# KiCad board UA_RX.kicad_pcb
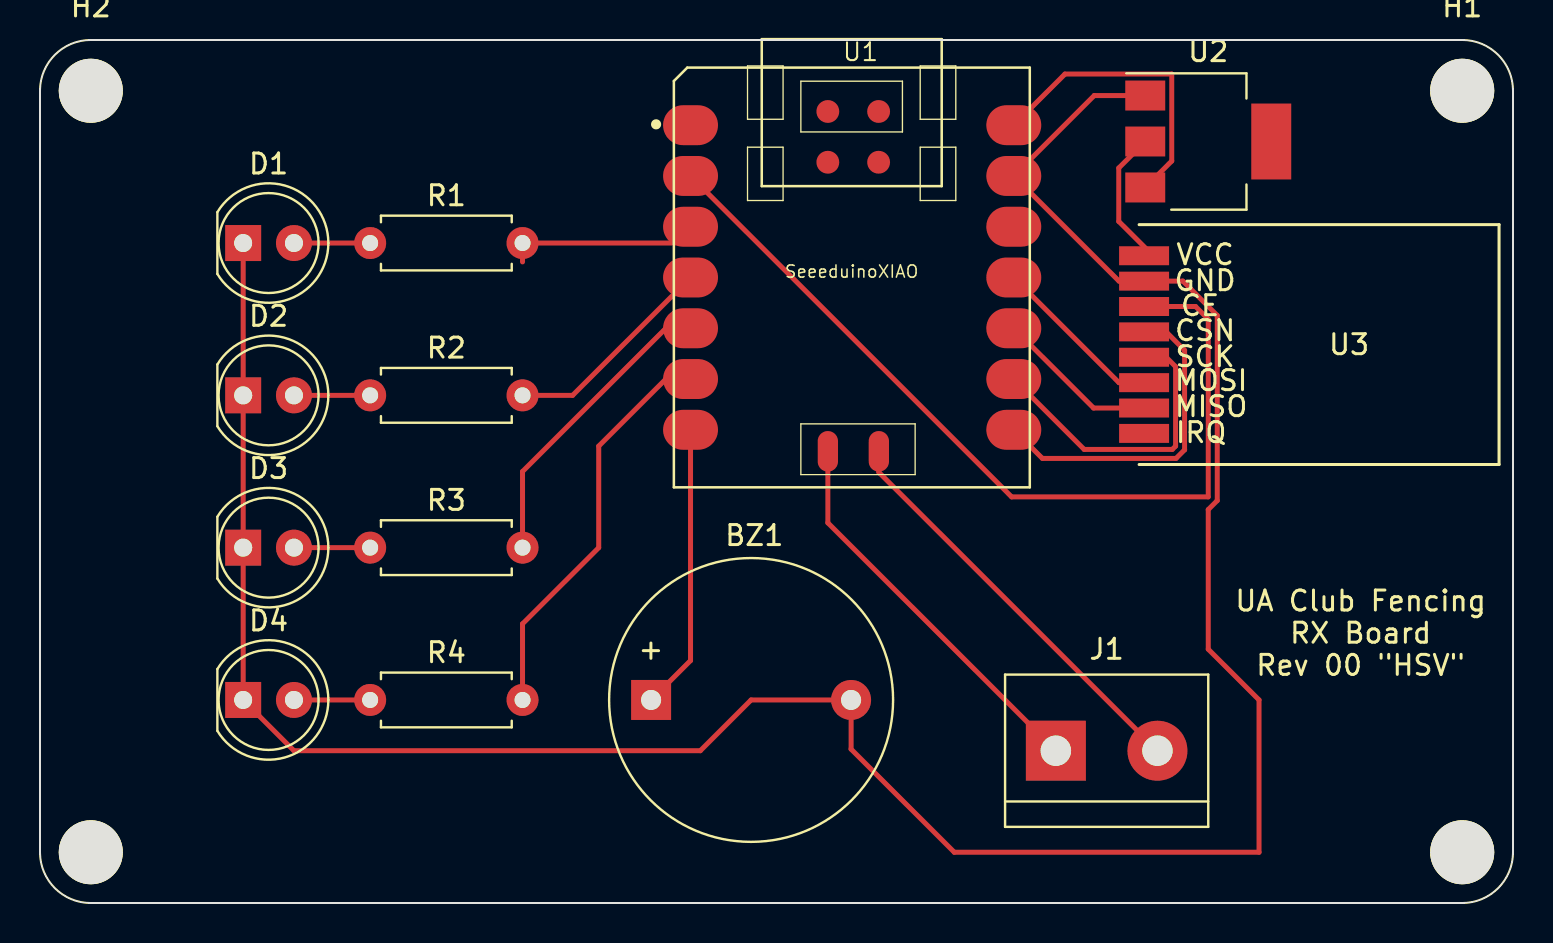
[diagram p0: board, top side]
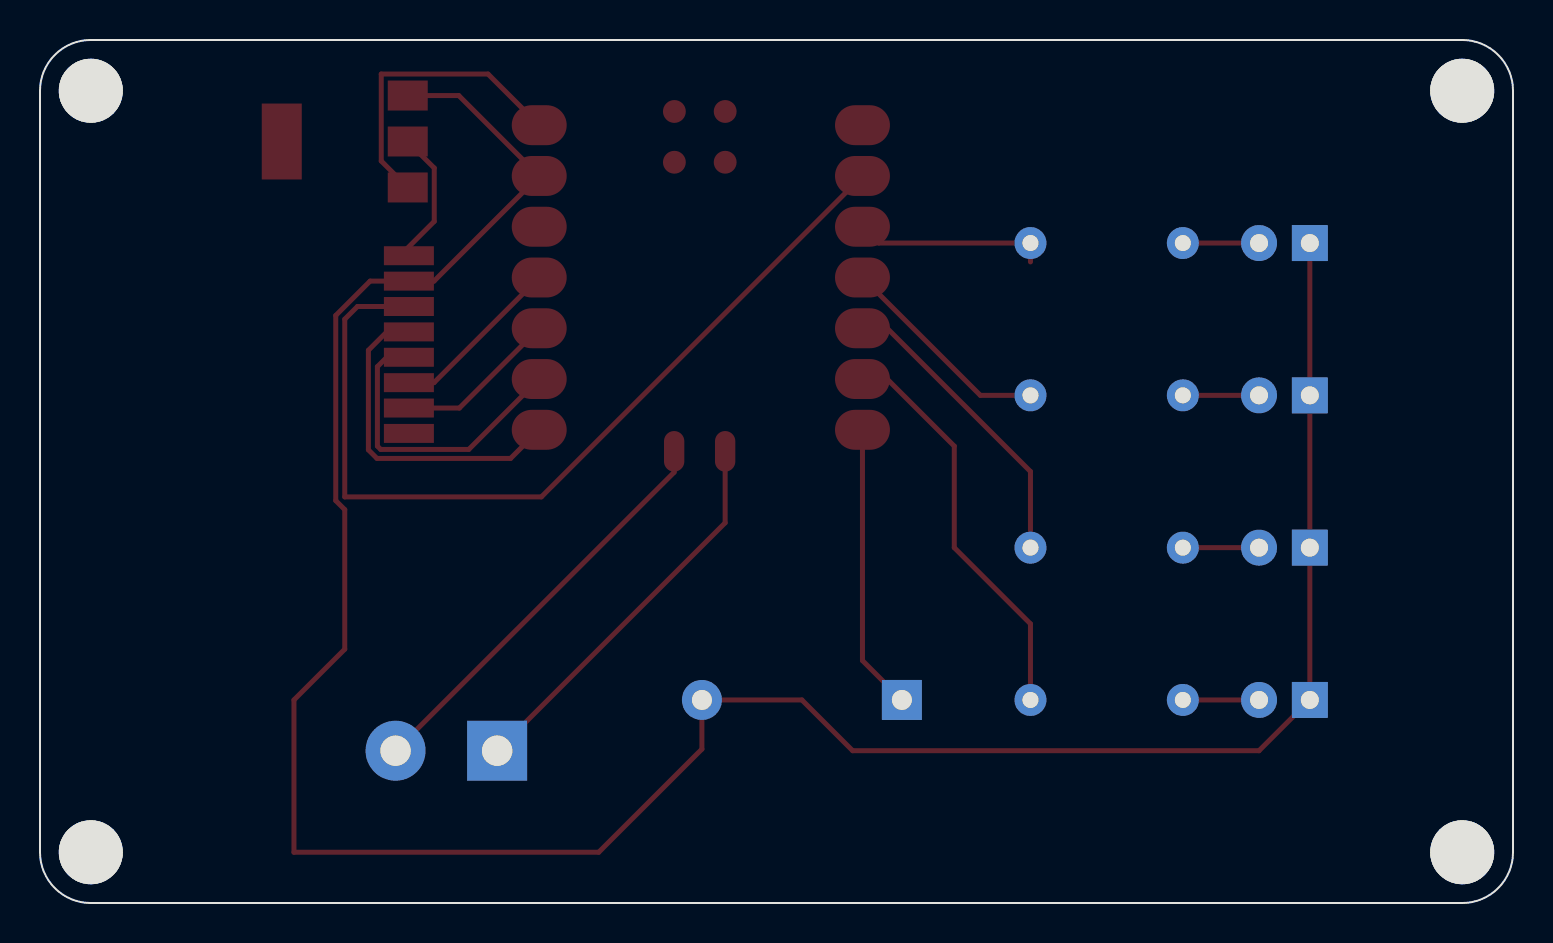
[diagram p1: board, bottom side, seen from below]

Outline 73.66 x 43.18 mm; copper layers: Top, Bottom. Coordinates in mm from the lower left corner of the outline.
Outline path: 0,40.64 0,2.54 arc(0.74,0.74) 2.54,0 71.12,0 arc(72.92,0.74) 73.66,2.54 73.66,40.64 arc(72.92,42.44) 71.12,43.18 2.54,43.18 arc(0.74,42.44) 0,40.64

## Placement (name value [footprint] x y rotation side)
BZ1  Buzzer  [Buzzer_D14mm_H7mm_P10mm]  30.56 10.16 0 top
D1  LED  [LED_D5.0mm]  10.16 33.02 0 top
D2  LED  [LED_D5.0mm]  10.16 25.4 0 top
D3  LED  [LED_D5.0mm]  10.16 17.78 0 top
D4  LED  [LED_D5.0mm]  10.16 10.16 0 top
H1  MountingHole  [MountingHole_3.2mm_M3]  71.12 40.64 0 top
H2  MountingHole  [MountingHole_3.2mm_M3]  2.54 40.64 0 top
H3  MountingHole  [MountingHole_3.2mm_M3]  71.12 2.54 0 top
H4  MountingHole  [MountingHole_3.2mm_M3]  2.54 2.54 0 top
J1  Screw_Terminal_01x02  [TerminalBlock_bornier-2_P5.08mm]  50.8 7.62 0 top
R1  R  [R_Axial_DIN0207_L6.3mm_D2.5mm_P7.62mm_Horizontal]  16.51 33.02 0 top
R2  R  [R_Axial_DIN0207_L6.3mm_D2.5mm_P7.62mm_Horizontal]  16.51 25.4 0 top
R3  R  [R_Axial_DIN0207_L6.3mm_D2.5mm_P7.62mm_Horizontal]  16.51 17.78 0 top
R4  R  [R_Axial_DIN0207_L6.3mm_D2.5mm_P7.62mm_Horizontal]  16.51 10.16 0 top
U1  SeeeduinoXIAO  [Seeeduino XIAO-MOUDLE14P-2.54-21X17.8MM]  31.7 20.8 0 top
U2  AMS1117-3.3  [SOT-223-3_TabPin2]  58.42 38.1 0 top
U3  nRF24L01_module  [NRF24L01-Module-SMD]  55.96 27.94 180 top

## Footprints (pads in the part's own frame, mm; a bottom-side part is the same pattern mirrored in y, then rotated)
Buzzer_D14mm_H7mm_P10mm
  rect 2x2 hole 1: 1(0,0)
  round 2 hole 1: 2(10,0)
LED_D5.0mm
  rect 1.8x1.8 hole 0.9: 1(0,0)
  round 1.8 hole 0.9: 2(2.54,0)
MountingHole_3.2mm_M3
  round 3.2 hole 3.2 unplated: (0,0)
NRF24L01-Module-SMD
  rect 2.5x0.95 smd: 1(0.3,-4.445) 2(0.3,-3.175) 3(0.3,-1.905) 4(0.3,-0.635) 5(0.3,0.635) 6(0.3,1.905) 7(0.3,3.175) 8(0.3,4.445)
R_Axial_DIN0207_L6.3mm_D2.5mm_P7.62mm_Horizontal
  round 1.6 hole 0.8: 1(0,0)
  oval 1.6x1.6 hole 0.8: 2(7.62,0)
Seeeduino XIAO-MOUDLE14P-2.54-21X17.8MM
  oval 2.748x1.999 smd: 1(0.833,18.118) 2(0.833,15.578) 3(0.833,13.038) 4(0.833,10.498) 5(0.833,7.958) 6(0.833,5.418) 7(0.833,2.878) 8(16.998,2.878) 9(16.998,5.418) 10(16.998,7.958) 11(16.998,10.498) 12(16.998,13.038) 13(16.998,15.578) 14(16.998,18.118)
  oval 1.016x2.032 smd: 15(7.7,1.8) 16(10.25,1.8)
  round 1.143 smd: 17(7.699,18.804) 18(10.239,18.804) 19(7.699,16.264) 20(10.239,16.264)
SOT-223-3_TabPin2
  rect 2x1.5 smd: 1(-3.15,2.3) 2(-3.15,0) 3(-3.15,-2.3)
  rect 2x3.8 smd: 2(3.15,0)
TerminalBlock_bornier-2_P5.08mm
  rect 3x3 hole 1.52: 1(0,0)
  round 3 hole 1.52: 2(5.08,0)

## Nets
Net-(D1-Pad1): BZ1.2 D1.1 D2.1 D3.1 D4.1 U1.13 U2.1 U3.2
Net-(D1-Pad2): D1.2 R1.1
Net-(D2-Pad2): D2.2 R2.1
Net-(D3-Pad2): D3.2 R3.1
Net-(D4-Pad2): D4.2 R4.1
Net-(R1-Pad2): R1.2 U1.3
Net-(R2-Pad2): R2.2 U1.4
Net-(R3-Pad2): R3.2 U1.5
Net-(R4-Pad2): R4.2 U1.6
Net-(U1-Pad2): U1.2 U3.3
Net-(U1-Pad7): BZ1.1 U1.7
Net-(U1-Pad8): U1.8 U3.4
Net-(U1-Pad9): U1.9 U3.5
Net-(U1-Pad10): U1.10 U3.7
Net-(U1-Pad11): U1.11 U3.6
Net-(U1-Pad14): U1.14 U2.3
Net-(U1-Pad15): J1.1 U1.15
Net-(U1-Pad16): J1.2 U1.16
Net-(U2-Pad2): U2.2 U3.1

Pads without a net: U1 1 12 17 18 19 20; U3 8

## Routing (per net, layer and track width the routed paths; a pad name or vN(x,y) marks a point on that pad's centre or on a via; arc(x,y) is an arc through that point)
Net-(D1-Pad1): length 129.8
  Top w0.25: U2.1 52.72,40.4 U1.13 53.96,31.11 U3.2 57.15,31.11 58.87,29.4 58.87,20.13 58.42,19.68 58.42,12.7 60.96,10.16 60.96,2.54 45.72,2.54 40.56,7.7 BZ1.2 35.56,10.16 33.02,7.62 12.7,7.62 D4.1 D3.1 D2.1 D1.1
Net-(D1-Pad2): length 3.8
  Top w0.25: D1.2 R1.1
Net-(D2-Pad2): length 3.8
  Top w0.25: D2.2 R2.1
Net-(D3-Pad2): length 3.8
  Top w0.25: D3.2 R3.1
Net-(D4-Pad2): length 3.8
  Top w0.25: D4.2 R4.1
Net-(R1-Pad2): length 9.7
  Top w0.25: 24.13,32.08 R1.2 31.71,33.02 U1.3
Net-(R2-Pad2): length 10.8
  Top w0.25: U1.4 26.63,25.4 R2.2
Net-(R3-Pad2): length 15.2
  Top w0.25: R3.2 24.13,21.59 31.3,28.76 U1.5
Net-(R4-Pad2): length 20.3
  Top w0.25: U1.6 31.3,26.22 27.94,22.86 27.94,17.78 24.13,13.97 R4.2
Net-(U1-Pad2): length 44.5
  Top w0.25: U3.3 57.79,29.84 58.42,29.21 58.42,20.32 48.59,20.32 U1.2
Net-(U1-Pad7): length 14.3
  Top w0.25: U1.7 32.53,12.13 BZ1.1
Net-(U1-Pad8): length 16.2
  Top w0.25: U3.4 56.32,28.58 57.24,27.66 57.24,22.67 56.81,22.24 50.13,22.24 U1.8
Net-(U1-Pad9): length 14.9
  Top w0.25: U1.9 52.22,22.69 56.62,22.69 56.79,22.86 56.79,26.83 56.32,27.3 U3.5
Net-(U1-Pad10): length 8.6
  Top w0.25: U1.10 52.69,24.77 U3.7
Net-(U1-Pad11): length 9.1
  Top w0.25: U3.6 53.96,26.03 U1.11
Net-(U1-Pad14): length 15.2
  Top w0.25: U1.14 51.25,41.47 56.59,41.47 56.59,37.12 U2.3
Net-(U1-Pad15): length 19.7
  Top w0.25: J1.1 39.4,19.02 U1.15
Net-(U1-Pad16): length 20.7
  Top w0.25: U1.16 41.95,21.55 J1.2
Net-(U2-Pad2): length 7
  Top w0.25: 55.66,32.38 53.95,34.1 53.95,36.77 U2.2

## Text on the board
F.Silkscreen: UA Club Fencing / RX Board / Rev 00 {dblquote}HSV{dblquote}
